# KiCad board ブレッドボード_2.kicad_pcb
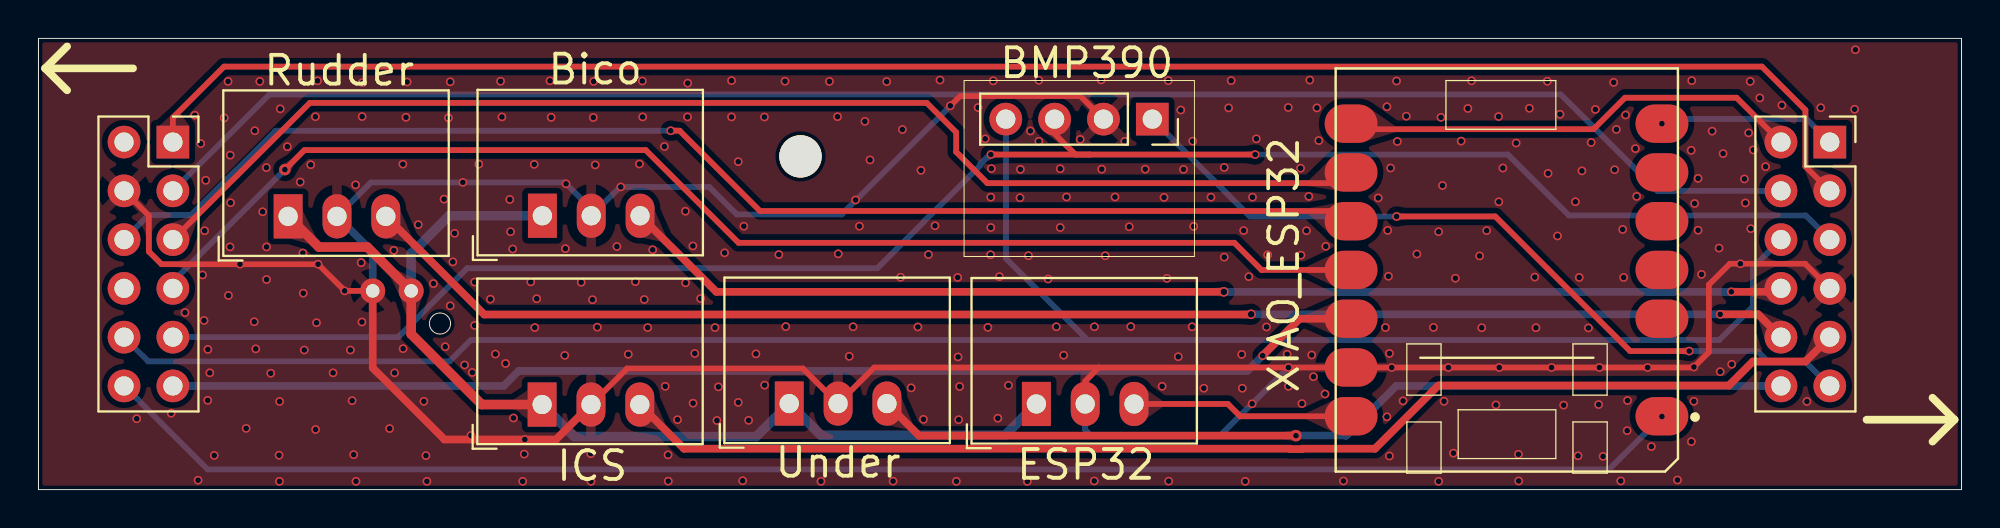
[diagram p0: board, top side]
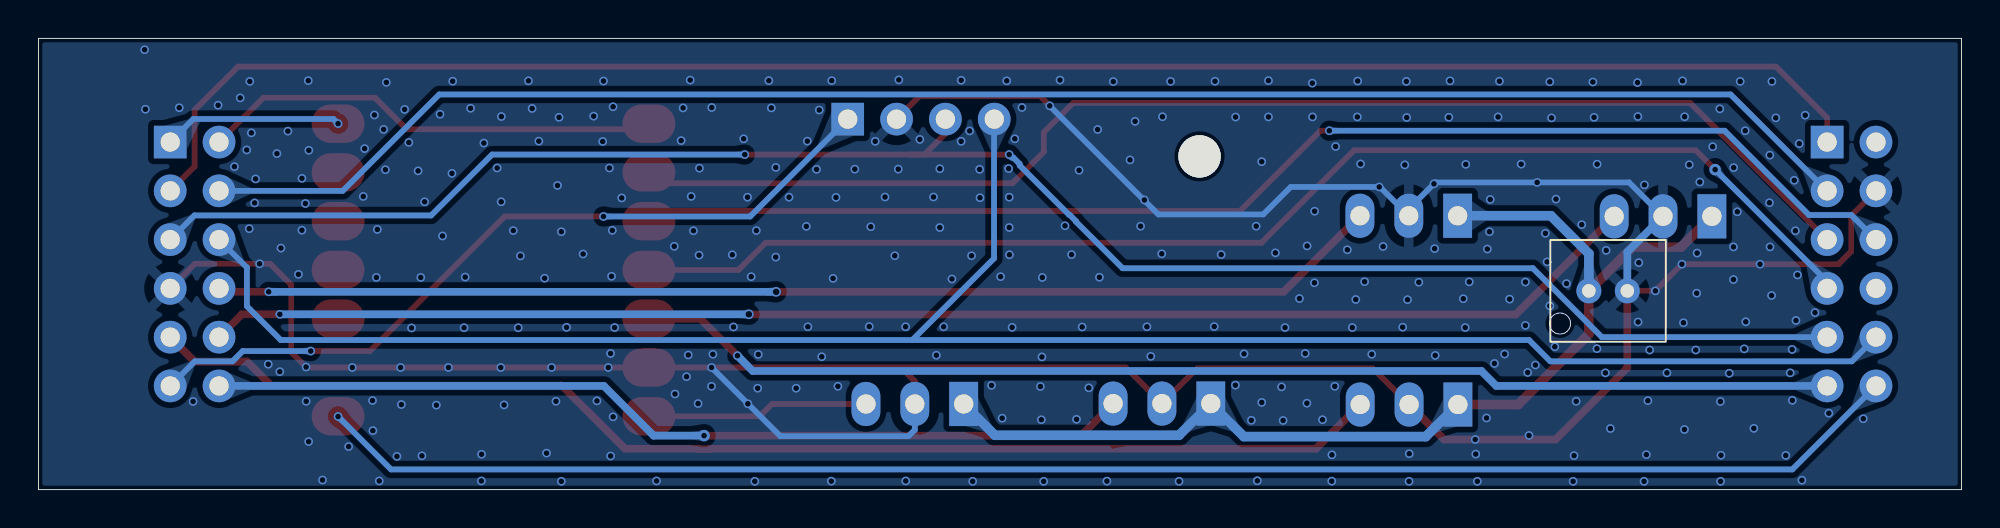
[diagram p1: board, bottom side, seen from below]

Outline 100 x 23.5 mm; copper layers: Top, Bottom. Coordinates in mm from the lower left corner of the outline.
Outline path: rectangle 0,23.5 100,0

## Placement (name value [footprint] x y rotation side)
J1  Conn_01x12_Socket  [PinSocket_2x06_P2.54mm_Vertical]  6.99 18.1 0 top
J2  BMP390  [PinSocket_1x04_P2.54mm_Vertical]  57.92 19.3 270 top
J3  LiPo  [PA_Connector_Post_2Pin]  18.38 10.35 0 bottom
J6  Conn_01x12_Socket  [PinSocket_2x06_P2.54mm_Vertical]  93.15 18.1 0 top
REF**  -  [MountingHole_2.2mm_M2]  39.62 17.36 0 top
U1  MCP1703Ax-120xxDB  [Converter_DCDC_RECOM_R-78E-0.5_THT]  26.19 4.43 0 top
U2  MCP1703Ax-120xxDB  [Converter_DCDC_RECOM_R-78E-0.5_THT]  26.2 14.26 0 top
U3  MCP1703Ax-120xxDB  [Converter_DCDC_RECOM_R-78E-0.5_THT]  51.89 4.46 0 top
U4  MCP1703Ax-120xxDB  [Converter_DCDC_RECOM_R-78E-0.5_THT]  12.98 14.23 0 top
U5  MCP1703Ax-120xxDB  [Converter_DCDC_RECOM_R-78E-0.5_THT]  39.04 4.48 0 top
U6  XIAO-ESP32-S3-SMD  [Seeeduino XIAO-MOUDLE14P-2.54-21X17.8MM]  85.25 21.94 180 top

## Library data of the parts
J1 J6 = -: Description: Generic connector, single row, 01x12, script generated; ki_fp_filters: Connector*:*_1x??_*
J2 = -: Description: Generic connector, single row, 01x04, script generated; ki_fp_filters: Connector*:*_1x??_*
J3 = -: Description: Generic connector, single row, 01x02, script generated; ki_fp_filters: Connector*:*_1x??_*
U1-U5 = -: Datasheet: http://ww1.microchip.com/downloads/en/DeviceDoc/20005122B.pdf; Description: Low Quiescent Current LDO Regulator, 1.2V, 250mA, Vin<=16V, SOT-223; ki_fp_filters: SOT?223*TabPin2*

## Footprints (pads in the part's own frame, mm; a bottom-side part is the same pattern mirrored in y, then rotated)
Converter_DCDC_RECOM_R-78E-0.5_THT
  rect 1.5x2.3 hole 1: 1(0,0)
  oval 1.5x2.3 hole 1: 2(2.54,0) 3(5.08,0)
MountingHole_2.2mm_M2
  round 2.2 hole 2.2 unplated: (0,0)
PA_Connector_Post_2Pin
  round 1.3 hole 0.7: 1(1,0) 2(-1,0)
PinSocket_1x04_P2.54mm_Vertical
  rect 1.7x1.7 hole 1: 1(0,0)
  round 1.7 hole 1: 2(0,-2.54) 3(0,-5.08) 4(0,-7.62)
PinSocket_2x06_P2.54mm_Vertical
  rect 1.7x1.7 hole 1: 1(0,0)
  round 1.7 hole 1: 2(-2.54,0) 3(0,-2.54) 4(-2.54,-2.54) 5(0,-5.08) 6(-2.54,-5.08) 7(0,-7.62) 8(-2.54,-7.62) 9(0,-10.16) 10(-2.54,-10.16) 11(0,-12.7) 12(-2.54,-12.7)
Seeeduino XIAO-MOUDLE14P-2.54-21X17.8MM
  oval 2.748x1.999 smd: 1(0.833,18.118) 3(0.833,13.038) 4(0.833,10.498) 5(0.833,7.958) 6(0.833,5.418) 7(0.833,2.878) 8(16.998,2.878) 9(16.998,5.418) 10(16.998,7.958) 11(16.998,10.498) 12(16.998,13.038) 13(16.998,15.578) 14(16.998,18.118)

## Nets
/3V3_BMP: J2.1 J6.11
/3V3_ESP: J1.11 U6.12
/5V_DC_Bico: J6.8 U2.3
/5V_DC_ESP: U3.3 U6.14
/5V_DC_ICS: J6.9 U1.3
/5V_DC_Rudder: J6.10 U4.3
/5V_DC_Under: J6.12 U5.3
/CLK_SD1: J1.5 U6.9
/CS_SD1: J1.12 U6.1
/DC_GND: J1.4 J2.2 J3.2 J6.7 U1.2 U2.2 U3.2 U4.2 U5.2 U6.13
/LiPo: J3.1 U1.1 U2.1 U3.1 U4.1 U5.1
/MISO_SD1: J1.6 U6.10
/MOSI_SD1: J1.7 U6.11
/RX_ESP: J6.2 U6.8
/SCK_BMP: J1.9 J2.3 J6.5
/SCL_SDP_AS1: J1.1 J6.3
/SDA_AS0: J1.10 J2.4 J6.6
/SDA_SDP_AS1: J1.3 J6.4
/TX_ESP: J6.1 U6.7

Pads without a net: J1 2 8; U6 3 4 5 6

## Via types
v1: diameter 0.45, hole 0.3, Top to Bottom, 367 vias
v2: diameter 0.6, hole 0.3, Top to Bottom, 2 vias
v3: diameter 0.5, hole 0.35, Top to Bottom, 2 vias

## Routing (per net, layer and track width the routed paths; a pad name or vN(x,y) marks a point on that pad's centre or on a via; arc(x,y) is an arc through that point)
/3V3_BMP: length 41
  Top w0.3: v1(85.84,7.22) 82.76,7.22 75.75,14.22 v1(70.62,14.22)
  Bottom w0.3: v1(70.62,14.22) 62.99,14.22 J2.1 ; v1(85.84,7.22) 89.38,7.22 89.91,6.68 91.87,6.68 J6.11
/3V3_ESP: length 62.7
  Top w0.4: v1(63.66,6.97) 65.58,8.9 U6.12
  Bottom w0.4: J1.11 24.19,5.4 24.97,6.18 62.86,6.18 v1(63.66,6.97)
/5V_DC_Bico: length 61
  Top w0.4: v1(88.03,10.3) 90.43,10.3 J6.8 ; v3(61.64,10.3) 35.25,10.3 31.29,14.26 U2.3
  Bottom w0.4: v1(88.03,10.3) v3(61.64,10.3)
/5V_DC_ESP: length 11.6
  Top w0.3: U6.14 62.49,3.82 61.85,4.46 U3.3
/5V_DC_ICS: length 65.3
  Top w0.4: J6.9 91.88,6.67 89.15,6.67 87.9,5.42 72.79,5.42 69.5,2.13 65.7,2.13 65.68,2.11 65.1,2.11 65.08,2.13 33.57,2.13 U1.3
/5V_DC_Rudder: length 75.2
  Top w0.4: J6.10 89.42,9.13 v1(87.45,9.13) ; U4.3 18.07,14.23 23.18,9.12 63.05,9.12 v3(63.06,9.13)
  Bottom w0.4: v1(87.45,9.13) v3(63.06,9.13)
/5V_DC_Under: length 48.3
  Top w0.4: v2(65.39,2.81) 45.79,2.81 U5.3
  Bottom w0.4: J6.12 70.6,5.4 68.01,2.81 v2(65.39,2.81)
/CLK_SD1: length 66.8
  Top w0.3: J1.5 14.11,20.14 46.19,20.14 47.72,18.61 47.72,17.58 49.34,15.96 67.7,15.96 U6.9
/CS_SD1: length 82.9
  Bottom w0.3: v1(84.42,3.81) 81.66,1.05 8.8,1.05 J1.12
/DC_GND: length 172.2
  Top w0.3: 55.14,6.36 54.43,5.65 U3.2 ; 55.14,6.36 v1(65,6.36) U6.13 v1(70.37,6.36) v1(73.32,6.36) v1(75.96,6.36) v1(78.68,6.36) v1(81.17,6.36) v1(83.68,6.36) 86.06,6.36 v1(86.09,6.39) 86.86,7.16 86.86,10.67 87.95,11.76 v1(88.5,11.76) 91.87,11.76 J6.7 ; 55.14,6.36 43.46,6.36 U5.2 39.75,6.31 30.61,6.31 U1.2 28.73,4.2 ; 28.73,14.25 U2.2 28.74,14.59 ; v1(47.42,19.99) 47.93,20.5 54.18,20.5 J2.2 ; J1.4 5.74,14.27 5.74,12.4 6.4,11.74 v1(14.54,11.74) 15.92,10.36 v1(15.92,10.35) J3.2
  Top w0.4: U1.2 26.91,2.61 v1(25.29,2.61) 21.11,2.61 17.38,6.34 J3.2
  Bottom w0.3: v1(47.42,19.99) 41.76,14.33 36.31,14.33 34.88,15.76 v1(30.28,15.76) 30.24,15.76 U2.2 28.74,14.62 v1(27.44,15.92) 27.36,16 v1(22.07,16) 17.29,16 U4.2 ; 28.74,4.44 U1.2 ; 41.57,4.49 U5.2 ; v1(65,6.36) 61.42,2.78 54.76,2.78 54.43,3.11 U3.2
  Bottom w0.4: J3.2 17.38,12.38 U4.2
  vias: v1(5.11,3.69) v1(6.9,3.98) v1(7.62,9.22) v1(8.13,19.5) v1(8.3,0.49) v1(8.44,18.02) v1(8.53,11.18) v1(8.64,13.48) v1(8.61,8.81) v1(8.7,16.11) v1(8.81,7.3) v1(8.8,4.65) v1(8.91,6.08) v1(9.14,1.78) v1(9.66,19.36) v1(9.86,21.26) v1(9.88,10.11) v1(9.97,17.42) v1(9.99,14.94) v1(9.96,12.64) v1(10.48,11.74) v1(10.8,3.19) v1(11.22,8.74) v1(11.25,18.69) v1(11.3,7.33) v1(11.51,21.26) v1(11.66,14.47) v1(11.85,16.77) v1(11.86,12.64) v1(11.86,10.94) v1(12.08,6.06) v1(12.54,4.59) v1(12.51,1.79) v1(12.53,0.43) v1(12.57,19.83) v1(12.94,17.86) v1(13.61,16.02) v1(13.75,12.32) v1(13.77,10.23) v1(13.82,7.27) v1(14.16,16.92) v1(14.4,19.42) v1(14.41,3.13) v1(14.51,21.29) v1(14.46,8.69) v1(15.32,6.08) v1(16.22,7.27) v1(16.31,4.63) v1(16.39,1.82) v1(16.49,15.87) v1(16.51,0.43) v1(16.85,21.2) v1(16.83,19.43) v1(16.78,11.82) v1(16.82,8.73) v1(18.26,3.18) v1(18.48,12.46) v1(18.52,6.08) v1(18.95,16.95) v1(18.96,7.34) v1(19.11,19.39) v1(19.17,21.23) v1(19.75,13.8) v1(20.04,4.6) v1(20.15,1.77) v1(20.2,0.43) v1(20.54,10.73) v1(21.09,15.13) v1(21.15,7.44) v1(21.32,19.36) v1(21.41,21.24) v1(21.41,9.57) v1(21.55,11.86) v1(21.64,13.35) v1(22.16,6.49) v1(22.49,2.82) v1(22.56,6.1) v1(22.68,10.81) v1(22.68,8.55) v1(22.9,16.95) v1(23.5,9.92) v1(23.76,7.06) v1(24.03,21.27) v1(24.1,19.41) v1(24.29,6.57) v1(24.51,15.11) v1(24.55,13.43) v1(24.66,12.53) v1(24.7,3.73) v1(25.18,0.43) v1(25.26,1.85) v1(25.6,10.82) v1(25.78,16.94) v1(25.81,8.44) v1(25.91,9.94) v1(26.6,21.29) v1(26.66,19.39) v1(27.4,12.55) v1(27.37,6.99) v1(28.22,10.8) v1(28.72,1.87) v1(28.73,0.43) v1(28.85,19.38) v1(28.81,9.89) v1(28.87,21.26) v1(28.95,16.91) v1(29.06,8.46) v1(30.08,12.66) v1(30.67,7.05) v1(31.04,10.83) v1(31.25,16.96) v1(31.4,21.28) v1(31.42,19.41) v1(31.5,9.9) v1(31.68,8.44) v1(31.94,12.49) v1(32.55,17.87) v1(32.59,5.38) v1(32.74,1.81) v1(32.75,0.44) v1(33.23,3.64) v1(33.64,14.5) v1(33.75,19.41) v1(33.65,10.77) v1(33.76,21.17) v1(34.03,12.69) v1(34.04,4.5) v1(34.13,7.09) v1(34.43,9.95) v1(35.18,8.44) v1(35.28,3.6) v1(35.36,5.35) v1(35.68,12.33) v1(36.04,21.3) v1(36.04,19.41) v1(36.39,17.08) v1(36.39,4.54) v1(36.62,0.46) v1(36.68,13.72) v1(36.93,3.61) v1(37.31,7.07) v1(37.75,19.41) v1(37.76,5.44) v1(38.5,12.24) v1(38.82,21.27) v1(38.86,8.49) v1(40.69,0.43) v1(41.13,21.26) v1(41.55,19.42) v1(41.59,12.28) v1(42.16,6.94) v1(42.36,8.48) v1(42.49,15.09) v1(42.69,13.72) v1(42.97,19.18) v1(43.24,17.17) v1(44.11,21.25) v1(44.44,0.44) v1(44.83,11.06) v1(44.92,18.75) v1(45.38,5.3) v1(45.73,8.47) v1(45.89,16.63) v1(46.02,3.66) v1(46.28,12.24) v1(46.62,13.74) v1(46.88,21.33) v1(47.73,0.43) v1(47.8,11.05) v1(47.82,6.91) v1(47.85,3.64) v1(47.9,5.37) v1(48.86,19.9) v1(49.23,18.27) v1(49.37,8.45) v1(49.55,16.72) v1(49.52,15.23) v1(49.52,13.65) v1(49.51,12.23) v1(49.65,21.29) v1(49.89,3.72) v1(49.97,11.09) v1(50.44,5.43) v1(51.04,15.2) v1(51.06,16.68) v1(51.42,0.43) v1(51.48,12.18) v1(51.58,18.68) v1(52.02,21.32) v1(52.02,18.14) v1(52.5,10.97) v1(52.93,8.48) v1(53.13,16.71) v1(53.13,13.65) v1(53.31,7) v1(53.46,15.24) v1(54.17,18.24) v1(54.91,8.48) v1(54.9,0.45) v1(55.26,21.34) v1(55.29,16.69) v1(55.47,12.18) v1(55.98,15.24) v1(56.49,18.14) v1(56.72,13.69) v1(56.8,8.49) v1(57.55,16.69) v1(58.43,5.38) v1(58.53,15.22) v1(58.75,21.3) v1(58.68,11) v1(58.77,0.44) v1(59.27,6.92) v1(59.4,19.77) v1(59.54,16.68) v1(60.02,18.15) v1(59.99,8.48) v1(60.07,13.71) v1(60.6,5.28) v1(60.97,15.23) v1(61.66,16.78) v1(61.66,12.11) v1(61.89,19.88) v1(62.02,21.3) v1(62.57,7.04) v1(62.6,5.28) v1(62.67,13.49) v1(62.75,0.43) v1(62.94,11.09) v1(63.13,15.23) v1(63.11,4.47) v1(63.33,18.27) v1(63.92,12.23) v1(63.86,8.47) v1(64.93,7.05) v1(64.99,19.9) v1(65,5.38) v1(65.63,16.74) v1(65.65,12.21) v1(65.7,4.48) v1(65.94,13.48) v1(66.11,21.33) v1(66.06,15.27) v1(66.21,7.01) v1(66.3,5.88) v1(66.48,19.88) v1(66.58,18.18) v1(66.94,12.67) v1(66.9,4.98) v1(67.86,0.45) v1(69.67,15.19) v1(70.04,8.44) v1(70.12,19.94) v1(70.12,3.79) v1(70.16,13.5) v1(70.2,11.11) v1(70.31,16.75) v1(70.25,7.09) v1(70.25,1.75) v1(70.62,21.28) v1(70.66,18.13) v1(70.96,4.62) v1(71.13,19.45) v1(71.68,12.27) v1(72.54,8.45) v1(72.81,13.43) v1(72.81,0.43) v1(72.93,19.39) v1(73.01,15.84) v1(73.09,4.6) v1(73.58,1.9) v1(73.68,11.01) v1(73.98,18.15) v1(74.33,19.85) v1(74.52,21.29) v1(74.94,12.17) v1(75.05,8.43) v1(75.31,13.49) v1(75.79,4.41) v1(75.93,19.43) v1(75.94,14.99) v1(76.15,16.75) v1(76.84,18.05) v1(76.96,1.84) v1(76.97,0.45) v1(77.53,19.86) v1(77.81,11.07) v1(77.87,8.43) v1(78.46,21.27) v1(78.5,16.47) v1(78.99,13.21) v1(79.12,19.55) v1(79.31,4.4) v1(79.92,14.99) v1(80.12,11.05) v1(80.06,1.76) v1(80.26,16.6) v1(80.6,8.42) v1(80.74,18.08) v1(80.96,19.8) v1(81.13,4.43) v1(81.36,1.73) v1(81.91,21.21) v1(81.96,16.66) v1(82.05,18.76) v1(82.28,0.45) v1(82.38,13.55) v1(82.43,11.05) v1(82.53,19.51) v1(82.63,4.64) v1(82.61,3.07) v1(83.04,17.76) v1(83.11,15.27) v1(83.87,2.24) v1(85.23,0.5) v1(85.94,17.67) v1(85.95,2.5) v1(85.97,21.3) v1(86.12,14.9) v1(86.08,4.6) v1(86.3,16.21) v1(86.3,13.51) v1(86.48,11.21) v1(87.03,18.67) v1(87.39,12.58) v1(87.45,6.14) v1(87.6,17.5) v1(88.05,6.53) v1(88.71,16.18) v1(88.76,14.93) v1(88.93,18.58) v1(89.01,21.26) v1(89.04,13.59) v1(89.17,17.69) v1(89.51,20.4) v1(89.81,16.82) v1(90.66,20.02) v1(91.96,4.59) v1(92.68,19.89) v1(94.44,19.81) v1(94.48,22.91)
/LiPo: length 56.8
  Top w0.5: 39.04,4.46 U5.1 ; U1.1 26.21,4.43 ; U1.1 23.05,4.43 19.38,8.1 J3.1 17.1,12.63 14.58,12.63 U4.1 13.04,14.23 ; U1.1 26.2,4.44 ; U2.1 26.26,14.26
  Bottom w0.5: U3.1 50.26,2.83 40.69,2.83 U5.1 37.32,2.76 27.86,2.76 U1.1 ; U2.1 21.35,14.26 19.38,12.29 J3.1
/MISO_SD1: length 68.1
  Top w0.3: U6.10 67.73,14.51 37.52,14.51 33.34,18.69 v1(32.88,18.69)
  Bottom w0.3: J1.6 5.73,14.3 7.93,14.3 12.32,18.69 v1(32.88,18.69)
/MOSI_SD1: length 67
  Top w0.3: U6.11 63.6,11.44 62.19,12.86 36.41,12.86 31.58,17.68 13.83,17.68 v2(12.81,16.67)
  Bottom w0.3: v2(12.81,16.67) 6.99,10.84 J1.7
/RX_ESP: length 24.1
  Top w0.3: U6.8 68.54,18.77 80.86,18.77 82.5,20.41 88.3,20.41 J6.2
/SCK_BMP: length 95.1
  Top w0.3: J2.3 52.84,18.53 53.92,17.45 54.69,17.45 ; 54.69,17.45 v1(63.27,17.45) ; 54.69,17.45 v1(49.53,17.45)
  Bottom w0.3: J1.9 18.7,7.94 22.29,11.53 43.62,11.53 46.04,13.95 46.04,13.98 46.38,14.32 46.41,14.32 48.97,16.88 48.97,16.96 49.31,17.3 49.39,17.3 49.53,17.43 v1(49.53,17.45) ; v1(63.27,17.45) 76.41,17.45 79.58,14.28 91.89,14.28 J6.5
/SCL_SDP_AS1: length 92.9
  Top w0.3: J1.1 6.99,19.37 9.65,22.03 89.62,22.03 91.88,19.77 91.88,16.83 J6.3
/SDA_AS0: length 103.8
  Bottom w0.3: 54.56,7.79 87.4,7.79 89.16,9.55 89.16,11.57 J6.6 ; 54.56,7.79 50.31,12.04 50.31,19.28 J2.4 ; 54.56,7.79 22.49,7.79 21.38,6.68 5.71,6.68 J1.10
/SDA_SDP_AS1: length 87.8
  Bottom w0.3: J1.3 12.01,20.58 79.16,20.58 84.18,15.56 J6.4
/TX_ESP: length 9.3
  Bottom w0.3: J6.1 91.95,19.3 84.66,19.3 v1(84.42,19.06)

## Copper pours and planes (outline as drawn; the poured copper is in the pictures)
/DC_GND on Top, Bottom: -1.2,24.24 101.07,24.1 100.8,-0.67 -1.07,-0.21

Small or netless copper shapes (teardrops, artwork), in the pictures only: 36 on Top, 36 on Bottom

## Text on the board
F.Silkscreen: Rudder | Bico | ICS | Under | BMP390 | ESP32 | XIAO_ESP32 | →
